# Altium PCB BowieGlove.PcbDoc (part 1 of 2) (continued)
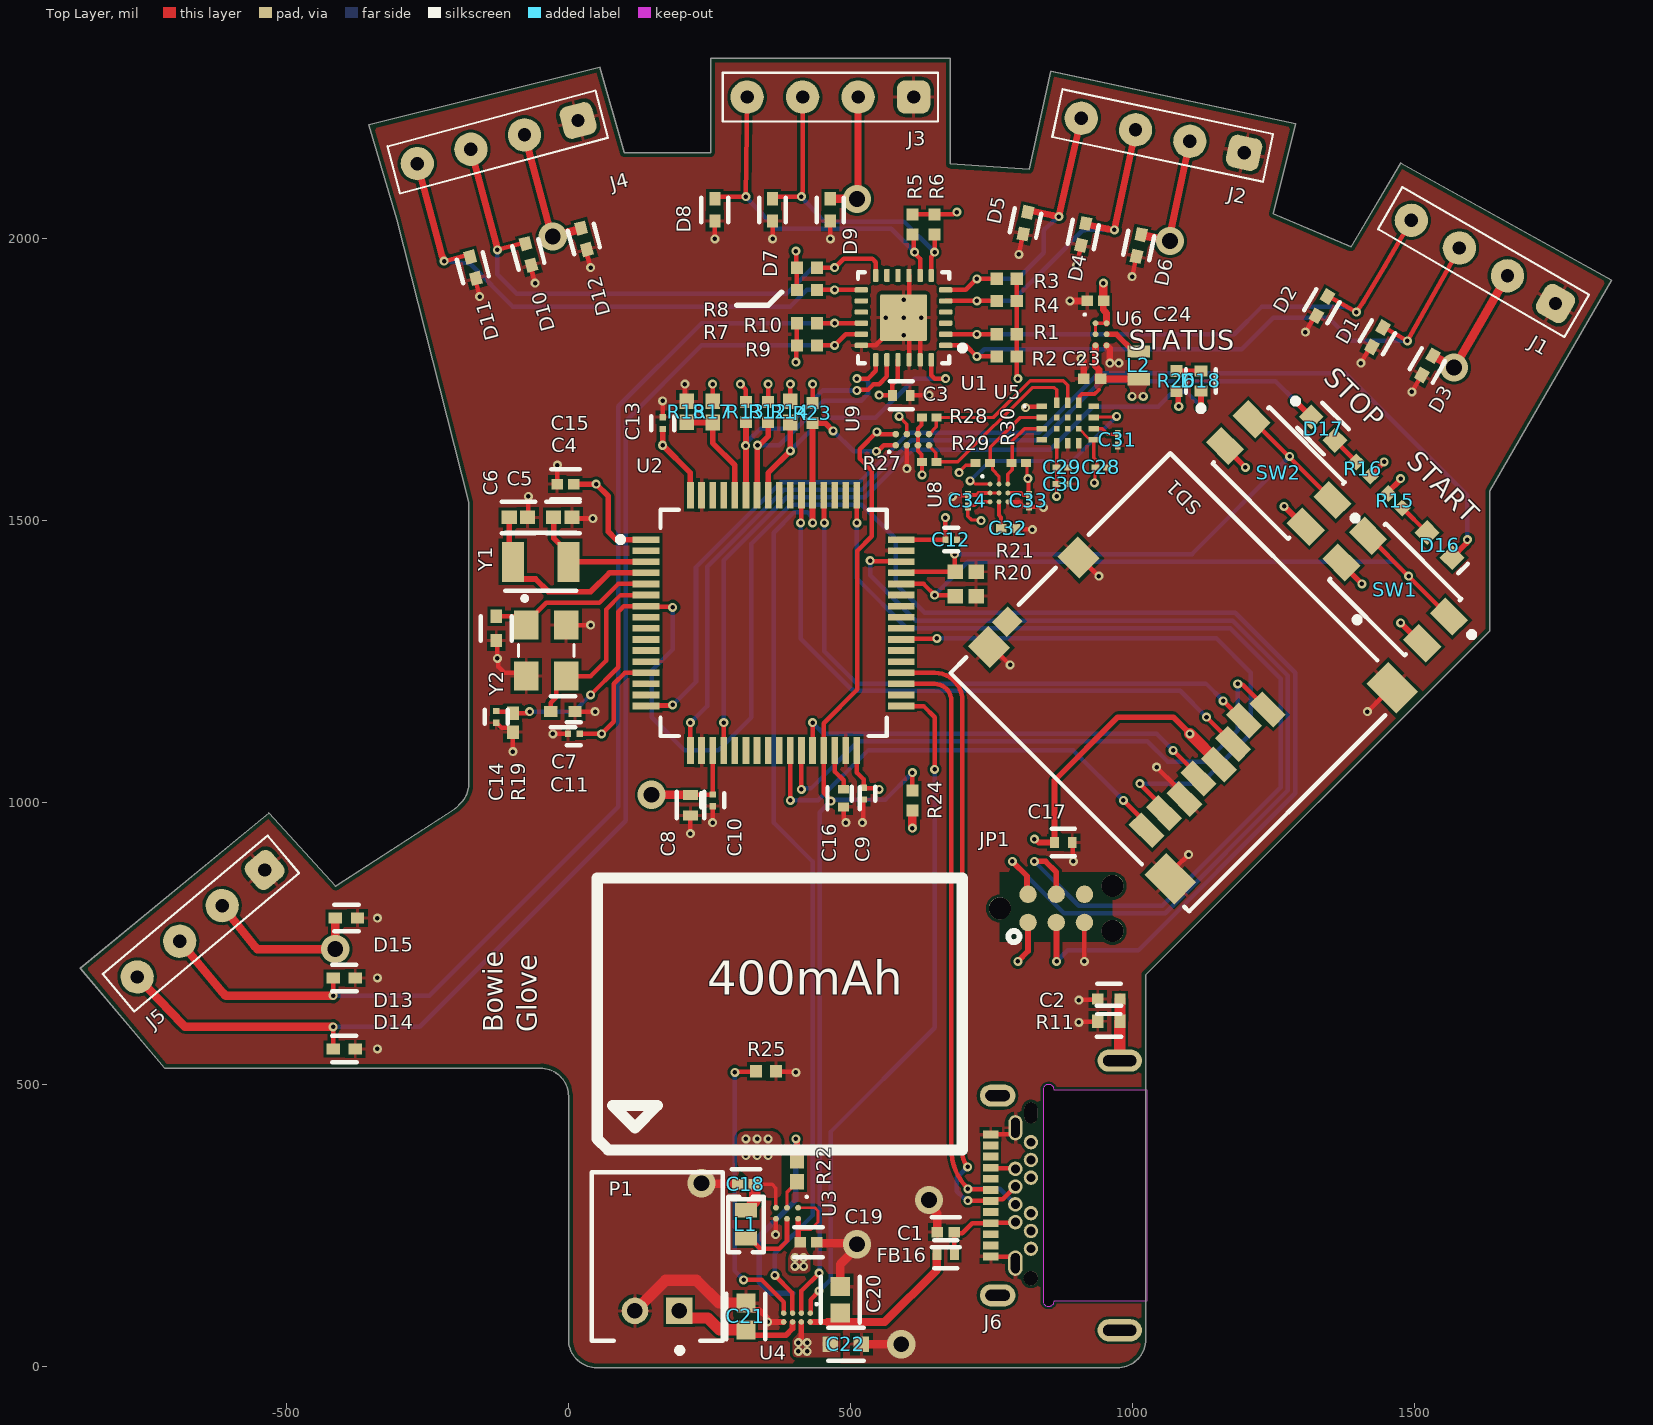
[diagram p0: Top Layer view]
## Components (designator, comment, footprint, x,y, rotation, side; value= is the part's Value field where it differs from the comment)
C1 "4.7uF" FP-CL828-IPC_C 669.29,238.19 r180 top
C2 "47 nF" FP-CC0402-MFG 958.66,651.57 r180 top
C3 "0.1uF" FP-GRM15-MFG 590.55,1722.44 r0 top value=0.10μF
C4 "12pF" FP-0402-L_1_0_1-W_0_5_0_1-IPC_B -9.84,1505.91 r0 top
C5 "12pF" FP-0402-L_1_0_1-W_0_5_0_1-IPC_B -88.58,1505.91 r0 top
C6 "22pF" FP-0402-L_1_0_1-W_0_5_0_1-MFG -127.95,1309.06 r270 top
C7 "22pF" FP-0402-L_1_0_1-W_0_5_0_1-MFG -9.84,1161.42 r0 top
C8 "10uF" FP-CL05A106MP5NUNC-MFG 216.54,995.57 r270 top
C9 "0.1uF" FP-CC0201-BA-MFG 523.62,1015.75 r90 top value="100 nF"
C10 "0.1uF" FP-CC0201-BA-MFG 255.91,1003.94 r90 top value="100 nF"
C11 "0.1uF" FP-CC0201-BA-MFG 9.84,1122.05 r0 top value="100 nF"
C12 "0.1uF" FP-CC0201-BA-MFG 679.13,1466.54 r180 top value="100 nF"
C13 "0.1uF" FP-CC0201-BA-MFG 167.32,1673.23 r270 top value="100 nF"
C14 "0.1uF" FP-CC0201-BA-MFG -127.95,1152.17 r90 top value="100 nF"
C15 "1uF" FP-CL511-IPC_C -5.06,1564.96 r180 top
C16 "4.7uF" FP-C1005-050-0_15-MFG 488.19,1007.87 r270 top
C17 "0.1uF" FP-GRM15-MFG 877.95,929.13 r0 top value=0.10μF
C18 "4.7uF" FP-CL828-IPC_C 314.96,322.83 r180 top
C19 "4.7uF" FP-CL828-IPC_C 426.04,220.47 r0 top
C20 "1uF" FP-0603-L_1_6_0_15-W_0_8-IPC_C 482.28,118.11 r90 top
C21 "1uF" FP-0603-L_1_6_0_15-W_0_8-IPC_C 314.96,88.58 r90 top
C22 "10uF" FP-C1608-080-0_1-MFG 492.13,39.37 r180 top
C23 "4.7uF" FP-CL828-IPC_C 929.13,1751.97 r180 top
C24 "4.7uF" FP-CL828-IPC_C 935.04,1889.76 r180 top
C28 "0.1uF" FP-GRM033-0_03-IPC_C 945.05,1594.49 r0 top
C29 "0.1uF" FP-GRM033-0_03-IPC_C 875.98,1594.49 r0 top
C30 "1uF" FP-GRM033-0_05-e01_0_2-IPC_C 875.98,1564.96 r0 top
C31 "220pF" FP-GRM033-0_03-IPC_C 974.41,1643.7 r270 top
C32 "2.2uF" FP-GRM033-0_09-IPC_B 780.05,1486.22 r0 top
C33 "0.1uF" FP-GRM033-0_03-IPC_C 816.93,1535.43 r270 top
C34 "0.1uF" FP-GRM033-0_03-IPC_C 708.66,1535.43 r90 top
D1 "TI_ESD351DPYR" FP-DPY0002A-MFG 1435.04,1825.47 r60 top
D2 "TI_ESD351DPYR" FP-DPY0002A-MFG 1336.61,1880.59 r60 top
D3 "TI_ESD351DPYR" FP-DPY0002A-MFG 1523.62,1775.59 r60 top
D4 "TI_ESD351DPYR" FP-DPY0002A-MFG 913.39,2007.87 r78 top
D5 "TI_ESD351DPYR" FP-DPY0002A-MFG 810.87,2027.99 r78 top
D6 "TI_ESD351DPYR" FP-DPY0002A-MFG 1011.81,1988.19 r78 top
D7 "TI_ESD351DPYR" FP-DPY0002A-MFG 362.2,2051.18 r90 top
D8 "TI_ESD351DPYR" FP-DPY0002A-MFG 259.84,2051.18 r90 top
D9 "TI_ESD351DPYR" FP-DPY0002A-MFG 464.57,2051.18 r90 top
D10 "TI_ESD351DPYR" FP-DPY0002A-MFG -70.87,1972.44 r105 top
D11 "TI_ESD351DPYR" FP-DPY0002A-MFG -169.29,1948.82 r105 top
D12 "TI_ESD351DPYR" FP-DPY0002A-MFG 27.56,2000 r105 top
D13 "TI_ESD351DPYR" FP-DPY0002A-MFG -397.64,688.98 r180 top
D14 "TI_ESD351DPYR" FP-DPY0002A-MFG -397.64,562.99 r180 top
D15 "TI_ESD351DPYR" FP-DPY0002A-MFG -393.7,795.28 r180 top
D16 "YELLOW" 0603_A 1545.28,1456.69 r135 top
D17 "BLUE" FP-LTST-C191TBKT-MFG 1338.58,1663.39 r315 top
D18 "RED" FP-SML-P11UTT86-MFG 1122.05,1748.03 r90 top
FB16 "600 Ohms @ 100MHz" FP-BLM15-0_05-MFG 669.29,198.82 r180 top
J1 "1x4 FlexFeather, 2.5mm pitch" FlexFeather_2.5mm_5mm_4pos 1623.05,1959.09 r150 top
J2 "1x4 FlexFeather, 2.5mm pitch" FlexFeather_2.5mm_5mm_4pos 1054.21,2183.19 r168 top
J3 "1x4 FlexFeather, 2.5mm pitch" FlexFeather_2.5mm_5mm_4pos 464.72,2251.42 r180 top
J4 "1x4 FlexFeather, 2.5mm pitch" FlexFeather_2.5mm_5mm_4pos -125.38,2171.63 r195 top
J5 "1x4 FlexFeather, 2.5mm pitch" FlexFeather_2.5mm_5mm_4pos -651.8,785.63 r220 top
J6 "632723130112" 632723130112 929.13,303.15 r90 top
JP1 "TC2030-6-NL-FOOTPRINT" TAG_TC2030_NL_6 765.35,812.4 r0 top
L1 "1uH" "IND 0603_1608 RF WW" 314.96,251.97 r90 top
L2 "1uH" FP-DFE18SAN_E0-MFG 1011.81,1775.59 r270 top
P1 "S2B-PH-K-S" JST-S2B-PH-K-S_V 157.48,194.88 r180 top
R1 "10K" RESC1005X40X25NL05T05 777.56,1830.71 r0 top
R2 "10K" RESC1005X40X25NL05T05 777.56,1791.34 r0 top
R3 "10K" RESC1005X40X25NL05T05 777.56,1929.13 r0 top
R4 "10K" RESC1005X40X25NL05T05 777.56,1889.76 r0 top
R5 "10K" RESC1005X40X25NL05T05 610.24,2025.59 r90 top
R6 "10K" RESC1005X40X25NL05T05 649.61,2025.59 r90 top
R7 "10K" RESC1005X40X25NL05T05 423.23,1909.45 r180 top
R8 "10K" RESC1005X40X25NL05T05 423.23,1948.82 r180 top
R9 "10K" RESC1005X40X25NL05T05 423.23,1811.02 r180 top
R10 "10K" RESC1005X40X25NL05T05 423.23,1850.39 r180 top
R11 "1MOhm" FP-RMCF0402-MFG 958.66,612.2 r180 top
R12 "10K" RESC1005X40X25NL05T05 354.33,1692.91 r90 top
R13 "10K" RESC1005X40X25NL05T05 314.96,1692.91 r90 top
R14 "10K" RESC1005X40X25ML05T10 393.7,1692.91 r90 top
R15 "1K" RESC1005X40X25NL05T05 1466.54,1535.43 r315 top
R16 "1K" RESC1005X40X25NL05T05 1410.17,1591.8 r135 top
R17 "DNP" RESC1005X40X25ML05T10 255.91,1692.91 r90 top
R18 "10K" RESC1005X40X25ML05T10 210.31,1693 r270 top
R19 "DNP" RESC1005X40X25NL05T10 -98.43,1141.73 r90 top
R20 "10K" RESC1005X40X25ML05T10 704.72,1366.14 r180 top
R21 "10K" RESC1005X40X25ML05T10 704.72,1409.45 r180 top
R22 "0Ohms" RESC1005X40X25ML05T10 405.51,346.46 r270 top
R23 "1K" RESC1005X40X25NL05T05 433.07,1690.94 r90 top
R24 "1K" RESC1005X40X25NL05T05 610.24,1003.94 r270 top
R25 "10K NTC" RESC1005X40X25NL05T05 350.39,523.62 r180 top
R26 "1K" RESC1005X40X25NL05T05 1078.74,1748.03 r90 top
R27 "4.7K" RESC0603X26X15NL03T05 639.76,1604.33 r180 top
R28 "4.7K" RESC0603X26X15NL03T05 639.76,1683.07 r180 top
R29 "4.7K" RESC0603X26X15NL03T05 735.24,1602.36 r180 top
R30 "4.7K" RESC0603X26X15NL03T05 799.21,1602.36 r0 top
SD1 "473521001" MOLX-473521001_V 1084.26,1213.24 r45 top locked
SW1 "EVQP2002W" FP-EVQP2002W-MFG 1466.54,1377.95 r225 top
SW2 "EVQP2002W" FP-EVQP2002W-MFG 1259.84,1584.65 r225 top
U1 "TCA9548ARGER" FP-RGE0024C-MFG 594.49,1860.24 r180 top
U2 "STM32F446RET6" FP-LQFP64-5W-MFG 364.17,1318.9 r0 top locked
U3 "LM3691TL-3.3/NOPB" YZR0006APAF 387.8,271.65 r270 top
U4 "BQ21080" BQ21080_bga 405.51,86.61 r270 top
U5 "BHI360" BHI360 885.83,1673.23 r0 top
U6 "LM3691TL-1.8/NOPB" YZR0006APAF 944.88,1830.71 r0 top
U8 "BMM350" BMM350 763.78,1549.21 r0 top
U9 "TCA9406YZPR" YZP0008ADAD 610.24,1643.7 r90 top
Y1 "ABS07-120-32.768KHZ-T" FP-ABS07-120-MFG -49.21,1427.17 r180 top
Y2 "ECS-80-18-33-JGN-TR" XTAL_ECS-240-8-33-AGN-TR -39.37,1269.69 r270 top

## Footprints (in the part's own frame and the unit in brackets; to place one, negate y for a bottom-side part, rotate by r counter-clockwise, add the part's x,y. Pads: shape width x height; smd on the part's side, far side on the other; paste and mask are expansions set on the pad)
0603_A [mm] "Chip LED, 2-Leads, Body 1.6x0.8mm, IPC Medium Density"
  rect 0.8x0.8 smd: 1(-0.8,0) 2(0.8,0)
  silkscreen extent -1.5,-0.3 -1.5,0.3, body extent -0.8,-0.4 0.8,0.4, height 0.7
632723130112 [mm] "USB_Type C 3.1_Mid-Mount_THR/SMT_1,6mm"
  rect 0.35x0.7 smd: A1(-2.75,4.57) A2(-2.25,4.57) A3(-1.75,4.57) A4(-1.25,4.57) A5(-0.75,4.57) A6(-0.25,4.57) A7(0.25,4.57) A8(0.75,4.57) A9(1.25,4.57) A10(1.75,4.57) A11(2.25,4.57) A12(2.75,4.57)
  oval 1.143x0.635 hole 0.381 slot 0.9 at 0 deg: B1(3.05,3.46)
  round 0.65 hole 0.4: B2(2.4,2.76) B3(1.6,2.76) B4(1.2,3.46) B5(0.8,2.76) B6(0.4,3.46) B7(-0.4,3.46) B8(-0.8,2.76) B9(-1.2,3.46) B10(-1.6,2.76) B11(-2.4,2.76)
  oval 1.15x0.65 hole 0.4 slot 0.9 at 0 deg: B12(-3.05,3.46)
  round 0.65 hole 0.65 unplated: MH1(-3.725,2.76)
  oval 0.94x0.584 hole 0.584 slot 0.94 at 0 deg unplated: MH2(3.725,2.76)
  oval 1x2 hole 0.5 slot 1.5 at 90 deg: Shell(-6.075,-1.24) Shell(6.075,-1.24)
  oval 1x1.6 hole 0.5 slot 1.1 at 90 deg: Shell(-4.5,4.26) Shell(4.5,4.26)
  Keep-Out Layer board cut-out: -4.75,-2.49 4.75,-2.49 4.75,1.71 4.858,1.735 4.945,1.804 4.994,1.904 4.994,2.016 4.945,2.116 4.858,2.185 4.75,2.21 4.75,2.21 -4.75,2.21 -4.858,2.185 -4.945,2.116 -4.994,2.016 -4.994,1.904 -4.945,1.804 -4.858,1.735 -4.75,1.71 -4.75,1.71
  body extent -6.18,-5 6.18,4.99, height 2.04
BHI360 [mm]
  rect 0.475x0.25 smd mask+0.076: 1(-1.163,0.75) 2(-1.163,0.25) 3(-1.163,-0.25) 4(-1.163,-0.75) 8(1.163,-0.75) 9(1.163,-0.25) 10(1.163,0.25) 11(1.163,0.75)
  rect 0.25x0.475 smd mask+0.076: 5(-0.5,-0.913) 6(0,-0.913) 7(0.5,-0.913) 12(0.5,0.912) 13(0,0.912) 14(-0.5,0.912)
  rect 0.25x0.25 smd mask+0.076: 15(-0.5,-0.25) 16(0,-0.25) 17(0.5,-0.25) 18(0.5,0.25) 19(0,0.25) 20(-0.5,0.25)
  silkscreen extent -2,0.7 -1.9,0.8
BMM350 [mm] "BGA, 9-Leads, Body 1.28x1.28mmx0.50mm, Pitch 0.40mm"
  round 0.22 smd: A1(-0.4,0.4) A2(0,0.4) A3(0.4,0.4) B1(-0.4,0) B2(0,0) B3(0.4,0) C1(-0.4,-0.4) C2(0,-0.4) C3(0.4,-0.4)
  silkscreen extent -0.79,0.7 -0.69,0.79, body extent -0.64,-0.64 0.64,0.64, height 0.5
BQ21080_bga [mm] "BGA, 6-Leads, Body 1.00x1.55mmx0.50mm, Pitch 0.40mm"
  round 0.25 smd mask+0.06: A1(-0.2,0.6) A2(0.2,0.6) B1(-0.2,0.2) B2(0.2,0.2) C1(-0.2,-0.2) C2(0.2,-0.2) D1(-0.2,-0.6) D2(0.2,-0.6)
  silkscreen extent -0.65,0.83 -0.56,0.93, body extent -0.5,-0.77 0.5,0.77, height 0.5
FlexFeather_2.5mm_5mm_4pos [mm]
  rrect50% 1.5x1.5 hole 0.6: 1(-3.75,0)
  round 1.5 hole 0.6: 2(-1.25,0) 3(1.25,0) 4(3.75,0)
  silkscreen extent -4.85,-1.1 4.85,1.1
FP-0402-L_1_0_1-W_0_5_0_1-IPC_B [mil]
  rect 26.81x24.1 smd paste+0 mask+0: 1(-16.36,0) 2(16.36,0)
  silkscreen extent -30,-28 30,28, body extent -36,-18 36,18, height 10
FP-0402-L_1_0_1-W_0_5_0_1-MFG [mm]
  rect 0.6x0.5 smd paste+0 mask+0: 1(-0.55,0) 2(0.55,0)
  silkscreen extent -0.55,-0.7 0.55,0.7, body extent -0.95,-0.4 0.95,0.4, height 0.25
FP-0603-L_1_6_0_15-W_0_8-IPC_C [mil]
  rect 33.77x33.94 smd paste+0 mask+0: 1(-23.71,0) 2(23.71,0)
  silkscreen extent -41,-34 41,34, body extent -45,-23 45,23, height 10
FP-ABS07-120-MFG [mm]
  rect 1x1.8 smd paste+0 mask+0: 1(-1.25,0) 2(1.25,0)
  silkscreen extent -1.6,-1.3 1.6,1.3, body extent -1.85,-1 1.85,1, height 0.25
FP-BLM15-0_05-MFG [mm]
  rect 0.4x0.5 smd paste+0 mask+0: 1(-0.4,0) 2(0.4,0)
  silkscreen extent -0.53,-0.63 0.52,0.63, body extent -0.7,-0.38 0.7,0.38, height 0.25
FP-C1005-050-0_15-MFG [mm]
  rect 0.4x0.5 smd paste+0 mask+0: 1(-0.4,0) 2(0.4,0)
  silkscreen extent -0.5,-0.72 0.5,0.72, body extent -0.7,-0.43 0.7,0.43, height 0.25
FP-C1608-080-0_1-MFG [mm]
  rect 0.7x0.7 smd paste+0 mask+0: 1(-0.7,0) 2(0.7,0)
  silkscreen extent -0.8,-0.75 0.8,0.75, body extent -1.15,-0.55 1.15,0.55, height 0.25
FP-CC0201-BA-MFG [mm]
  rect 0.28x0.3 smd paste+0 mask+0: 1(-0.265,0) 2(0.265,0)
  silkscreen extent -0.32,-0.53 0.32,0.53, body extent -0.51,-0.27 0.51,0.27, height 0.25
FP-CC0402-MFG [mm]
  rect 0.5x0.5 smd paste+0 mask+0: 1(-0.5,0) 2(0.5,0)
  silkscreen extent -0.53,-0.68 0.53,0.67, body extent -0.87,-0.48 0.87,0.48, height 0.25
FP-CL05A106MP5NUNC-MFG [mm]
  rect 0.45x0.675 smd paste+0 mask+0: 1(-0.463,0) 2(0.463,0)
  silkscreen extent -0.6,-0.63 0.6,0.63, body extent -0.79,-0.45 0.79,0.45, height 0.25
FP-CL511-IPC_C [mil]
  rect 20.29x18.6 smd paste+0 mask+0: 1(-14.9,0) 2(14.9,0)
  silkscreen extent -25,-27 25,27, body extent -29,-15 29,15, height 10
FP-CL828-IPC_C [mil]
  rect 20.29x18.6 smd paste+0 mask+0: 1(-14.9,0) 2(14.9,0)
  silkscreen extent -25,-27 25,27, body extent -29,-15 29,15, height 10
FP-DFE18SAN_E0-MFG [mm]
  rect 0.55x1 smd paste+0 mask+0: 1(-0.625,0) 2(0.625,0)
  body extent -1,-0.6 1,0.6, height 0.25
FP-DPY0002A-MFG [mm]
  rect 0.6x0.5 smd paste+0 mask+0: 1(-0.5,0) 2(0.5,0)
  silkscreen extent -0.56,-0.6 0.55,0.6, body extent -0.9,-0.45 0.9,0.45, height 0.25
FP-EVQP2002W-MFG [mm]
  rect 1x1.45 smd paste+0 mask+0: 1(-0.85,2.575) 2(0.85,2.575) 3(-0.85,-2.575) 4(0.85,-2.575)
  silkscreen extent -1.8,-2.4 1.8,4, body extent -1.9,-3.4 1.9,3.4, height 0.25
FP-GRM15-MFG [mm]
  rect 0.4x0.5 smd paste+0 mask+0: 1(-0.4,0) 2(0.4,0)
  silkscreen extent -0.53,-0.63 0.53,0.63, body extent -0.7,-0.38 0.7,0.38, height 0.25
FP-GRM033-0_03-IPC_C [mil]
  rect 13.94x10.34 smd paste+0 mask+0: 1(-10.01,0) 2(10.01,0)
  body extent -21,-10 21,10, height 10
FP-GRM033-0_05-e01_0_2-IPC_C [mil]
  rect 14.22x10.73 smd paste+0 mask+0: 1(-10.06,0) 2(10.06,0)
  body extent -21,-11 21,11, height 10
FP-GRM033-0_09-IPC_B [mil]
  rect 18.77x15.88 smd paste+0 mask+0: 1(-12.34,0) 2(12.34,0)
  body extent -28,-14 28,14, height 10
FP-LQFP64-5W-MFG [mm]
  rect 1.2x0.3 smd paste+0 mask+0: 1(-5.75,3.75) 2(-5.75,3.25) 3(-5.75,2.75) 4(-5.75,2.25) 5(-5.75,1.75) 6(-5.75,1.25) 7(-5.75,0.75) 8(-5.75,0.25) 9(-5.75,-0.25) 10(-5.75,-0.75) 11(-5.75,-1.25) 12(-5.75,-1.75) 13(-5.75,-2.25) 14(-5.75,-2.75) 15(-5.75,-3.25) 16(-5.75,-3.75) 33(5.75,-3.75) 34(5.75,-3.25) 35(5.75,-2.75) 36(5.75,-2.25) 37(5.75,-1.75) 38(5.75,-1.25) 39(5.75,-0.75) 40(5.75,-0.25) 41(5.75,0.25) 42(5.75,0.75) 43(5.75,1.25) 44(5.75,1.75) 45(5.75,2.25) 46(5.75,2.75) 47(5.75,3.25) 48(5.75,3.75)
  rect 0.3x1.2 smd paste+0 mask+0: 17(-3.75,-5.75) 18(-3.25,-5.75) 19(-2.75,-5.75) 20(-2.25,-5.75) 21(-1.75,-5.75) 22(-1.25,-5.75) 23(-0.75,-5.75) 24(-0.25,-5.75) 25(0.25,-5.75) 26(0.75,-5.75) 27(1.25,-5.75) 28(1.75,-5.75) 29(2.25,-5.75) 30(2.75,-5.75) 31(3.25,-5.75) 32(3.75,-5.75) 49(3.75,5.75) 50(3.25,5.75) 51(2.75,5.75) 52(2.25,5.75) 53(1.75,5.75) 54(1.25,5.75) 55(0.75,5.75) 56(0.25,5.75) 57(-0.25,5.75) 58(-0.75,5.75) 59(-1.25,5.75) 60(-1.75,5.75) 61(-2.25,5.75) 62(-2.75,5.75) 63(-3.25,5.75) 64(-3.75,5.75)
  silkscreen extent -7.02,-5.1 5.1,5.1
FP-LTST-C191TBKT-MFG [mm]
  rect 0.8x0.8 smd paste+0 mask+0: 1(-0.75,0) 2(0.75,0)
  silkscreen extent -1.87,-0.8 0.85,0.8, body extent -1.25,-0.55 1.25,0.55, height 0.25
FP-RGE0024C-MFG [mm]
  rrect42% 0.6x0.24 smd paste-1000 mask+0: 1(-1.9,1.25) 2(-1.9,0.75) 3(-1.9,0.25) 4(-1.9,-0.25) 5(-1.9,-0.75) 6(-1.9,-1.25) 13(1.9,-1.25) 14(1.9,-0.75) 15(1.9,-0.25) 16(1.9,0.25) 17(1.9,0.75) 18(1.9,1.25)
  rrect42% 0.24x0.6 smd paste-1000 mask+0: 7(-1.25,-1.9) 8(-0.75,-1.9) 9(-0.25,-1.9) 10(0.25,-1.9) 11(0.75,-1.9) 12(1.25,-1.9) 19(1.25,1.9) 20(0.75,1.9) 21(0.25,1.9) 22(-0.25,1.9) 23(-0.75,1.9) 24(-1.25,1.9)
  rrect5% 2.1x2.1 smd paste-1000 mask+0: 25(0,0)
  silkscreen extent -2.78,-2.05 2.05,2.05, body extent -2.3,-2.3 2.3,2.3, height 0.25
FP-RMCF0402-MFG [mm]
  rect 0.5x0.6 smd paste+0 mask+0: 1(-0.5,0) 2(0.5,0)
  silkscreen extent -0.55,-0.7 0.55,0.7, body extent -0.85,-0.4 0.85,0.4, height 0.25
FP-SML-P11UTT86-MFG [mm]
  rect 0.5x0.6 smd paste+0 mask+0: 1(-0.45,0) 2(0.45,0)
  silkscreen extent -1.37,-0.67 0.53,0.67, body extent -0.8,-0.43 0.8,0.43, height 0.25
"IND 0603_1608 RF WW" [mm] "Chip Inductor, 2-Leads, Body 1.65x0.99mm, IPC Medium Density"
  rect 0.65x1 smd: 1(-0.625,0) 2(0.625,0)
  silkscreen extent -1.25,-0.8 1.25,0.8, body extent -0.8,-0.4 0.8,0.4, height 0.8
JST-S2B-PH-K-S_V [mm] "THD, 2-Leads, Body 7.6x5.9mm, Pitch 2mm"
  rect 1.2x1.2 hole 0.7: 1(-1,2.45)
  round 1.2 hole 0.7: 2(1,2.45)
  silkscreen extent -2.95,-3.8 2.95,4.35, body extent -2.95,-3.8 2.95,3.8, height 4.8
MOLX-473521001_V [mm] "SMD, 8-Leads, Body 15.2x14mm, Pitch 1.1mm"
  rect 0.8x1.5 smd: 1(1.94,-3.66) 2(0.84,-3.26) 3(-0.26,-3.66) 4(-1.36,-3.86) 5(-2.46,-3.66) 6(-3.56,-3.86) 7(-4.66,-3.66) 8(-5.76,-3.66)
  rect 1x0.95 smd: 9(-3.56,7.425)
  rect 1.3x1.4 smd: 10(-4.95,7.2) 11(0.75,7.2)
  rect 1.4x1.9 smd: 12(6.6,-6.95) 13(-6.55,-5.95)
  silkscreen extent -7,-7.6 7.77,7.6, body extent -7.05,-7.6 7.05,7.6, height 1.85
RESC0603X26X15NL03T05 [mm] "Chip Resistor, 2-Leads, Body 0.60x0.30mm, IPC Medium Density"
  rect 0.45x0.35 smd: 1(-0.325,0) 2(0.325,0)
  body extent -0.32,-0.16 0.32,0.17, height 0.26
RESC1005X40X25ML05T10 [mm] "Chip Resistor, 2-Leads, Body 1.00x0.50mm, IPC Low Density"
  rect 0.7x0.65 smd: 1(-0.475,0) 2(0.475,0)
  body extent -0.53,-0.27 0.53,0.28, height 0.4
RESC1005X40X25NL05T05 [mm] "Chip Resistor, 2-Leads, Body 1.05x0.55mm, IPC Medium Density"
  rect 0.55x0.55 smd: 1(-0.45,0) 2(0.45,0)
  body extent -0.53,-0.28 0.53,0.28, height 0.4
RESC1005X40X25NL05T10 [mm] "Chip Resistor, 2-Leads, Body 1.00x0.50mm, IPC Medium Density"
  rect 0.6x0.55 smd: 1(-0.425,0) 2(0.425,0)
  body extent -0.53,-0.27 0.53,0.28, height 0.4
TAG_TC2030_NL_6 [mil] "Connectorless footprint for debug cable"
  round 39 hole 39 unplated: 0(0,0) 0(200,-40) 0(200,40)
  round 31 smd paste-31: 1(50,-25) 2(50,25) 3(100,-25) 4(100,25) 5(150,-25) 6(150,25)
  silkscreen extent 15,-60 35,-40
XTAL_ECS-240-8-33-AGN-TR [mm]
  rect 1.3x1.1 smd: 1(-1.15,-0.9) 2(1.15,-0.9) 3(1.15,0.9) 4(-1.15,0.9)
  silkscreen extent -2.45,-1.25 0.27,1.25, body extent -1.6,-1.25 1.6,1.25, height 0.8
YZP0008ADAD [mm] "BGA, 8-Leads, Body 1.9x0.9mm, Pitch 0.5mm"
  round 0.3 smd: A1(-0.25,0.75) A2(0.25,0.75) B1(-0.25,0.25) B2(0.25,0.25) C1(-0.25,-0.25) C2(0.25,-0.25) D1(-0.25,-0.75) D2(0.25,-0.75)
  silkscreen extent -0.6,1 -0.5,1.1, body extent -0.45,-0.94 0.45,0.95, height 0.5
YZR0006APAF [mm] "Micro SMD, 6-Leads, Body 1.57x1.26mm, Pitch 0.5mm, NSC Recommended"
  round 0.265 smd paste-0.132 mask+0.05: A1(-0.25,0.5) A2(0.25,0.5) B1(-0.25,0) B2(0.25,0) C1(-0.25,-0.5) C2(0.25,-0.5)
  silkscreen extent -0.78,0.84 -0.69,0.94, body extent -0.63,-0.78 0.63,0.79, height 0.68

## Part data
C1 C18 C19 C23 C24: library part CMP-13271-001251-1, "Cap Ceramic 4.7uF 10V X5R ±10% SMD 0402 +85°C Paper T/R", Case Code (Imperial)=0402, Case Code (Metric)=1005, Dielectric=X5R, Max Operating Temperature=85°C, Min Operating Temperature=-55°C, Package Quantity=1, Tolerance=10%, Voltage Rating=10V, Capacitance=4.7uF, Case/Package=0402, Depth=0.5mm, Height=0.5mm, Lead Free="Lead Free", Length=1mm, Material=Ceramic, Mount="Surface Mount", Packaging="Tape and Reel", Radiation Hardening=No, Thickness=0.022inch, Width=0.02inch
C2: library part CMP-03422-000813-1, "CAP CER 0.047UF 25V X7R 0402", Manufacturer=YAGEO, Manufacturer Part Number=CC0402KRX7R8BB473, Package=CC0402, Temperature="-55°C to +125°C", Temperature Characteristic=X7R, Temperature Coefficient=30ppm/°C, Temperature Range High=+125°C, Temperature Range Low=-55°C, Tolerance=0.1, Voltage Rating="25 V", Automotive=No, Automotive Grade=NA, Capacitance="47 nF", Category=Cap, ComponentLink2Description=Datasheet, ComponentLink2URL=http://www.yageo.com/documents/recent/UPY-GP_NP0_16V-to-50V_16.pdf, Device Class L1="Passive Components", Device Class L2=Capacitors, Device Class L3="Ceramic Capacitors", Digikey Description="CAP CER 0.047UF 25V X7R 0402", Footprint Url=http://www.yageo.com/exep/pages/download/literatures/UPY-C_GEN_24.pdf, Height=0.55mm, Ipc Land Pattern Name=CAPC10050X50, Lead Free=Yes, Material=Ceramic, Mouser Description="Multilayer Ceramic Capacitors MLCC - SMD/SMT 47nF 25V X7R 10%", Octopart=https://octopart.com/cc0402krx7r8bb473-yageo-22850998, RoHS=TRUE
C3 C17: library part CMP-2100-03641-2, "CAP CER 0.1UF 16V X7R 0402", Capacitance=0.10μF, Manufacturer=Murata, Manufacturer Part Number=GRM155R71C104KA88D, Package=GRM15, Temperature="-55°C to +125°C", Temperature Characteristic=X7R, Temperature Range High=+125°C, Temperature Range Low=-55°C, Tolerance=10%, Voltage Rating=16Vdc, Category=Cap, ComponentLink2Description=Datasheet, ComponentLink2URL=https://search.murata.co.jp/Ceramy/image/img/A01X/G101/ENG/GRM155R71H471KA01-01A.pdf, Device Class L1="Passive Components", Device Class L2=Capacitors, Device Class L3="Ceramic Capacitors", Digikey Description="CAP CER 0.1UF 16V X7R 0402", Height=0.55mm, Ipc Land Pattern Name=CAPC10050X219, Lead Free=yes, Material=Ceramic, Mouser Description="0402 0.1 uF 16V ±10 % Tolerance X7R SMT Multilayer Ceramic Capacitor", Octopart=https://octopart.com/grm155r71c104ka88d-murata-196880, RoHS=TRUE, Standoff Height=0mm
C4 C5: library part CMP-1034-00771-3, "General Purpose Ceramic Capacitor, 0402, 12pF, 10%, C0G, 30ppm/°C, 50V", Case Code (Imperial)=0402, Case Code (Metric)=1005, Dielectric=C0G, Max Operating Temperature=125°C, Min Operating Temperature=-55°C, Package Quantity=10000, Tolerance=10%, Voltage Rating=50V, Capacitance=12pF, Case/Package=0402, Construction=Flat, Depth=0.5mm, Length=1mm, Mount="Surface Mount", Number of Pins=2, Packaging="Tape and Reel", Radiation Hardening=No, RoHS Compliant=Yes, Series=-, Termination=SMD/SMT, Thickness=0.022inch, Voltage Rating (DC)=50V, Width=0.5mm
C6 C7: library part CMP-2008-02613-2, "General Purpose Ceramic Capacitor, 0402, 22pF, 5%, C0G, 30ppm/°C, 50V", Case Code (Imperial)=0402, Case Code (Metric)=1005, Dielectric=C0G, Max Operating Temperature=125°C, Min Operating Temperature=-55°C, Package Quantity=1, Temperature Coefficient=30ppm/°C, Tolerance=5%, Voltage=50V, Capacitance=22pF, Case/Package=0402, Construction=Flat, Contact Plating=Tin, Depth=0.5mm, Height=0.5mm, Lead Free="Lead Free", Length=1mm, Mount="Surface Mount", Number of Pins=2, Packaging="Tape and Reel", Radiation Hardening=No, REACH SVHC="No SVHC", RoHS Compliant=Yes, Series=-, Termination=SMD/SMT, Thickness=0.022inch, Voltage Rating=50V, Voltage Rating (DC)=50V, Width=0.02inch
C8: library part CMP-13271-000002-1, "CAP CER 10UF 10V X5R 0402", Manufacturer=Samsung, Manufacturer Part Number=CL05A106MP5NUNC, Temperature="-55°C to +85°C", Temperature Characteristic=X5R, Temperature Coefficient=15%, Temperature Range High=+85°C, Temperature Range Low=-55°C, Tolerance=20%, Voltage Rating=10V, Automotive=No, Capacitance=10uF, Category=Cap, ComponentLink2Description=Datasheet, ComponentLink2URL=http://www.samsungsem.com/kr/support/product-search/mlcc/__icsFiles/afieldfile/2019/05/10/19-CL05A106MP5NUNC.pdf, Device Class L1="Passive Components", Device Class L2=Capacitors, Device Class L3="Ceramic Capacitors", Digikey Description="CAP CER 10UF 10V X5R 0402", Height=0.7mm, Ipc Land Pattern Name=CAPC10050X50, Lead Free=Yes, Material=Ceramic, Octopart=https://octopart.com/cl05a106mp5nunc-samsung-22457395, Package=CL05A106MP5NUNC, RoHS=TRUE
C9 C10 C11 C12 C13 C14: library part CMP-03422-000376-1, "CAP CER 0.1UF 6.3V X5R 0201", Capacitance="100 nF", Manufacturer=Yageo, Manufacturer Part Number=CC0201KRX5R5BB104, Package=CC0201-BA, Temperature="-55°C to +85°C", Temperature Characteristic=X5R, Temperature Coefficient=15%, Temperature Range High=+85°C, Temperature Range Low=-55°C, Tolerance=0.1, Voltage Rating="6.3 V", Automotive=No, Category=Cap, ComponentLink2Description=Datasheet, ComponentLink2URL=http://www.yageo.com/documents/recent/UPY-GPHC_X5R_4V-to-50V_25.pdf, Device Class L1="Passive Components", Device Class L2=Capacitors, Device Class L3="Ceramic Capacitors", Digikey Description="CAP CER 0.1UF 6.3V X5R 0201", Footprint Url=http://www.yageo.com/exep/pages/download/literatures/UPY-C_GEN_24.pdf, Height=0.33mm, Ipc Land Pattern Name=CAPC6030X30, Lead Free=Yes, Material=Ceramic, Mouser Description="Multilayer Ceramic Capacitors MLCC - SMD/SMT 100nF 6.3V X5R 10%", Octopart=https://octopart.com/cc0201krx5r5bb104-yageo-9292636, RoHS=TRUE
C15: library part CMP-13271-001936-1, "Cap Ceramic 1uF 10V X5R ±10% SMD 0402 +85°C Paper T/R", Case Code (Imperial)=0402, Case Code (Metric)=1005, Dielectric=X5R, Max Operating Temperature=85°C, Min Operating Temperature=-55°C, Package Quantity=1, Tolerance=10%, Voltage Rating=10V, Capacitance=1uF, Case/Package=0402, Contact Plating=Tin, Depth=0.5mm, Height=0.5mm, Length=1mm, Material=Ceramic, Mount="Surface Mount", Packaging="Tape and Reel", Radiation Hardening=No, Thickness=0.022inch, Width=0.02inch
C16: library part CMP-2000-05997-2, "CAP CER 4.7UF 10V X5R 0402", Case Code (Imperial)=0402, Case Code (Metric)=1005, Dielectric=X5R, Dielectric Material=Ceramic, Max Operating Temperature=85°C, Min Operating Temperature=-55°C, Package Quantity=10000, Tolerance=10%, Voltage Rating=10V, Capacitance=4.7uF, Case/Package=0402, Lead Free="Lead Free", Length=0.039inch, Mount="Surface Mount", Packaging="Cut Tape", REACH SVHC="No SVHC", RoHS Compliant=Yes, Series=C, Thickness=0.022inch, Voltage Rating (DC)=10V, Width=0.02inch
C20 C21: library part CMP-2000-07531-4, "Ceramic Capacitor General Use 1uF ±10% 50V X7R 0603", Case Code (Imperial)=0603, Case Code (Metric)=1608, Dielectric=X7R, Max Operating Temperature=125°C, Min Operating Temperature=-55°C, Package Quantity=1, Tolerance=10%, Voltage Rating=50V, Capacitance=1uF, Case/Package=0603, Construction=Flat, Depth=0.8mm, Halogen Free="Halogen Free", Height=0.8mm, Length=1.6mm, Mount="Surface Mount", Packaging="Tape and Reel", Radiation Hardening=No, RoHS Compliant=Yes, Series=M, Termination=SMD/SMT, Thickness=0.037inch, Voltage Rating (DC)=50V, Width=0.031inch
C22: library part CMP-2000-04979-3, "Multilayer Ceramic Capacitors 10μF ±10% 10V X5R SMD 0603", Case Code (Imperial)=0603, Case Code (Metric)=1608, Dielectric=X5R, Dielectric Material=Ceramic, Max Operating Temperature=85°C, Min Operating Temperature=-55°C, Package Quantity=1, Tolerance=10%, Voltage=10V, Capacitance=10uF, Case/Package=0603, Construction=Flat, Depth=0.8mm, Height=0.8mm, Lead Free="Lead Free", Length=1.6mm, Mount="Surface Mount", Number of Pins=2, Packaging="Tape and Reel", Radiation Hardening=No, REACH SVHC="No SVHC", Resistor Type=Ceramic, RoHS Compliant=Yes, Series=C, Termination=SMD/SMT, Thickness=0.035inch, Voltage Rating=10V, Voltage Rating (DC)=10V, Weight=7.1E-05oz, Width=0.8mm
C28 C29 C33 C34: library part CMP-2010-01264-2, "Chip Multilayer Ceramic Capacitors for General Purpose, 0201, 0.10uF, X5R, 15%, 10%, 10V", Capacitance=100nF, Case Code (Imperial)=0201, Case Code (Metric)=0603, Dielectric=X5R, Max Operating Temperature=85°C, Min Operating Temperature=-55°C, Package Quantity=1, Tolerance=10%, Voltage=10V, Case/Package=0201, Depth=0.3mm, Height=0.3mm, Lead Free="Lead Free", Length=0.6mm, Mount="Surface Mount", Packaging="Tape and Reel", Radiation Hardening=No, REACH SVHC="No SVHC", Termination=SMD/SMT, Thickness=0.013inch, Voltage Rating=10V, Voltage Rating (DC)=10V, Weight=6E-06oz, Width=0.012inch
C30: library part CMP-06035-049957-1, "Chip Multilayer Ceramic Capacitors for General Purpose, 0201, 1.0uF, X5R, 15%, 20%, 4V", Case Code (Imperial)=0201, Case Code (Metric)=0603, Dielectric=X5R, Max Operating Temperature=85°C, Min Operating Temperature=-55°C, Package Quantity=15000, Tolerance=20%, Voltage Rating=4V, Capacitance=1uF, Case/Package=0201, Height=0.3mm, Length=0.024inch, Mount="Surface Mount", Packaging="Tape and Reel", Termination=SMD/SMT, Thickness=0.014inch, Voltage Rating (DC)=4V, Weight=1.2E-05oz, Width=0.012inch
C31: library part CMP-2010-01692-2, "Chip Multilayer Ceramic Capacitors for General Purpose, 0201, 220pF, X7R, 15%, 10%, 16V", Case Code (Imperial)=0201, Case Code (Metric)=0603, Dielectric=X7R, Max Operating Temperature=125°C, Min Operating Temperature=-55°C, Package Quantity=15000, Tolerance=10%, Voltage Rating=16V, Capacitance=220pF, Case/Package=0201, Depth=0.3mm, Height=0.3mm, Lead Free="Lead Free", Length=0.6mm, Mount="Surface Mount", Packaging="Tape and Reel", Radiation Hardening=No, Termination=SMD/SMT, Thickness=0.013inch, Voltage Rating (DC)=16V, Width=0.012inch
C32: library part CMP-06035-032992-1, "Chip Multilayer Ceramic Capacitors for General Purpose, 0201, 2.2uF, X5R, 15%, 10%, 10V", Case Code (Imperial)=0201, Case Code (Metric)=0603, Dielectric=X5R, Max Operating Temperature=85°C, Min Operating Temperature=-55°C, Tolerance=10%, Voltage Rating=10V, Capacitance=2.2uF, Case/Package=0201, Length=0.024inch, Mount="Surface Mount", Packaging="Tape and Reel", Thickness=0.015inch, Voltage Rating (DC)=10V, Width=0.012inch
D1 D2 D3 D4 D5 D6 D7 D8 D9 D10 D11 D12 D13 D14 D15: library part Diode_300mil_Zener, "DIODE, TVS, UNIDIR, 3.6VRWM, 4.5VBR, 6.5VCL, 16A, 1.8PF, X1SON-2", Capacitance @ Frequency="1.8pF @ 1MHz", Case/Package="2-X1SON (1x.60)", Current - Peak Pulse (10/1000µs)=16A, Manufacturer="Texas Instruments", Manufacturer Part Number=ESD351DPYR, Max Operating Temperature=125°C, Min Operating Temperature=-40°C, Power - Peak Pulse=36W, Supplier Part Number 1=296-51109-1-ND, Voltage - Breakdown (Min)=4.5V, Voltage - Clamping (Max) @ Ipp=6.5V, Voltage - Reverse Standoff (Typ)=3.6V, Applications="General Purpose", Category="TVS - Diodes", Diode Type=Unidirectional, Mounting Type="Surface Mount", RoHS=Yes, Series=ESD351, Supplier 1=Digikey, Unidirectional Channels=1
D16: library part CMP-1426-00005-1, "SMD mono-color Chip LED, WL-SMCW, Yellow", Color=Yellow, Manufacturer="Wuerth Elektronik", PartNumber=150060YS75000, ComponentLink1Description="Manufacturer URL", ComponentLink1URL=http://www.we-online.com, ComponentLink2Description=Datasheet, ComponentLink2URL=http://katalog.we-online.com/led/datasheet/150060YS75000.pdf, PackageReference=0603_A
D17: library part CMP-22017-000008-1, "LED BLUE CLEAR CHIP SMD", Case Code (Imperial)=0603, Case Code (Metric)=1608, Color=Blue, Forward Current=20mA, Forward Voltage=3.8V, Lens Color=Colorless, Max Operating Temperature=80°C, Max Power Dissipation=75mW, Min Operating Temperature=-20°C, Package Quantity=1, Power Dissipation=76mW, Reverse Voltage=5V, Case/Package=0603, Depth=1.6mm, Dominant Wavelength=475nm, Height=0.55mm, Illumination Color=Blue, Lead Free="Lead Free", Length=0.8mm, Lens Style=Diffused, Lens Transparency=Clear, Luminous Intensity=180mcd, Mount="Surface Mount", Number of Elements=1, Number of LEDs=1, Number of Pins=2, Packaging="Tape and Reel", Radiation Hardening=No, Test Current=20mA, Viewing Angle=130°, Wavelength=468nm, Width=0.8mm
D18: library part CMP-08952-000028-1, "LED RED CLEAR 1006 SMD", Case Code (Imperial)=0402, Case Code (Metric)=1005, Color=Red, Forward Current=20mA, Forward Voltage=1.8V, Lens Color=Colorless, Max Operating Temperature=85°C, Min Operating Temperature=-40°C, Package Quantity=1, Test Current=1mA, Case/Package=0402, Dominant Wavelength=621nm, Height=0.25mm, Illumination Color=Red, Lead Free="Lead Free", Length=1mm, Lens Style=Square, Lens Transparency=Clear, Luminous Intensity=5.5mcd, Mount="Surface Mount", Number of LEDs=1, Number of Pins=2, Packaging="Tape and Reel", Radiation Hardening=No, REACH SVHC="No SVHC", RoHS Compliant=Yes, Series=PicoLED™, Viewing Angle=150°, Wavelength=621nm, Width=0.6mm
FB16: library part CMP-0686-00252-4, "Chip Ferrite Bead, 0402, 600Ω @ 100MHz, 0.23Ω, 25%, 900mA", Case Code (Imperial)=0402, Case Code (Metric)=1005, Current Rating=900mA, DC Resistance (DCR)=230mR, Max Operating Temperature=125°C, Min Operating Temperature=-55°C, Package Quantity=10000, Test Frequency=100MHz, Tolerance=25%, Case/Package=0402, Height=0.5mm, Impedance=600R, Lead Free="Lead Free", Length=1mm, Material=Steel, Max Current Rating=900mA, Max DC Current=900mA, Number Of Circuits=1, Number of Lines=1, Number of Pins=2, Packaging="Tape and Reel", Termination=SMD/SMT, Width=0.5mm
J1 J2 J3 J4 J5: library part FlexFeather_2.5mm_5mm_4pos, "2.5mm pitch, 5mm long, 4 pos recommended layout to connect flexpcb to e-textile with ultrasonic bonding", Internal Part Number=XXX-XXXXX-XX, Category=Connectors, ComponentLink1Description=Datasheet, Length=5, Pitch=2.5mm, Positions=4, System=connector
J6: library part CMP-207978-000001-2, "WR-COM_USB 3.1_TYPE C_HORIZONTAL", Current Rating=5A, Insulation Resistance=100MΩ, Max Operating Temperature=85°C, Min Operating Temperature=-40°C, Voltage Rating=20V, Contact Material="Gold, Nickel", Gender=Receptacle, Height=3.52mm, NexarPartId=99674471, Number Of Contacts=24, Number of Pins=24, Packaging="Tape and Reel", RoHS=Compliant, Usb Standard="USB 3.1"
JP1: "CONN, FP, 2X3, .05, DEBUG, SMT", Manufacturer="NO PART", Part Number="FOOTPRINT ONLY"
L1: library part MCHK1608T1R0MKN, "SMT Inductor", Manufacturer="Taiyo Yuden", Part Number=MCHK1608T1R0MKN
L2: library part CMP-06042-016331-1, "FIXED IND 1UH 1.6A 144 MOHM SMD", Case Code (Imperial)=0603, Case Code (Metric)=1608, Current Rating=1.6A, DC Resistance (DCR)=144mR, Max Operating Temperature=85°C, Min Operating Temperature=-40°C, Saturation Current=2A, Test Frequency=1MHz, Tolerance=20%, Case/Package=0603, Core Material=Metal, Inductance=1uH, Mount="Surface Mount", Packaging="Cut Tape", RoHS Compliant=Yes, Shielding=Shielded
P1: library part CMP-1755-00004-1, "Male Header, Pitch 2 mm, 1 x 2 Position, Height 4.8 mm, Tail Length 3.4 mm, -25 to 85 degC, RoHS, Bulk", Capacitance="10 uF", Case\Package=Radial, Max Operating Temperature="85 degC", Min Operating Temperature="-40 degC", Package Quantity=200, Tolerance=20%, Voltage Rating="50 V", ComponentLink1Description=Datasheet, ComponentLink1URL=http://www.jst-mfg.com/product/pdf/eng/ePH.pdf, DatasheetVersion=Dec-12, Diameter="5 mm", Height="11 mm", Lead Pitch="2 mm", Length="11 mm", Mount="Through Hole", PackageDescription="Male Header, Pitch 2 mm, 1 x 2 Position, Height 4.8 mm, Tail Length 3.4 mm", PackageReference=S2B-PH-K-S, Packaging=Bulk, Pins=2, Radiation Hardening=No, REACH SVHC="No SVHC", RoHSCompliant=true, Voltage Rating (DC)="50 V"
R1 R2 R3 R4 R5 R6 R7 R8 R9 R10 R12 R13 R15 R16 R23 R24 R26: library part CMP-1011-00510-4, "Chip Resistor, 1 KOhm, +/- 1%, 100 mW, -55 to 155 degC, 0402 (1005 Metric), RoHS, Tape and Reel", Case Code (Imperial)=0402, Case Code (Metric)=1005, Manufacturer="Basic Passives", Max Operating Temperature="155 degC", Min Operating Temperature="-55 degC", Package Quantity=10000, PartNumber=ERJ-2RKF1001X, Power Rating="100 mW", Resistance="1 KOhm", Tolerance=1%, Voltage Rating="50 V", Case\/Package=0402, ComponentLink1Description="Manufacturer URL", ComponentLink1URL=http://www.panasonic.com/, ComponentLink2Description=Datasheet, ComponentLink2URL=http://industrial.panasonic.com/cdbs/www-data/pdf/RDA0000/AOA0000C86.pdf, DatasheetVersion=04/2015, Height="0.35 mm", Length="1 mm", Mount="Surface Mount", Mounting Technology="Surface Mount", PackageDescription="2-Pin Surface Mount Device, Body 1 x 0.5 mm", PackageReference=0402, Packaging="Tape and Reel", Pins=2, Radiation Hardening=No, REACH SVHC=Yes, RoHSCompliant=true, Width="0.5 mm"
R11: library part CMP-2000-06985-2, "1MΩ ±1% 0.063W 0402 Thick Film Chip Resistor AEC-Q200 compliant", Case Code (Imperial)=0402, Case Code (Metric)=1005, Max Operating Temperature=155°C, Max Power Dissipation=63mW, Min Operating Temperature=-55°C, Power Rating=62.5mW, Resistance=1MR, Resistor Type="Thick Film", Temperature Coefficient=100ppm/°C, Tolerance=1%, Case/Package=0402, Construction=Rectangular, Contact Plating=Tin, Depth=0.5mm, Features="Automotive AEC-Q200", Height=0.016inch, Lead Free="Lead Free", Length=1mm, Military Standard=Not, Mount="Surface Mount", Number of Terminations=2, Packaging="Tape and Reel", Radiation Hardening=No, RoHS Compliant=Yes, Series=RMCF, Size Code=0402, Width=0.02inch
R14 R17 R18 R20 R21 R22: library part CMP-2002-03043-1, Manufacturer="Vishay Dale", Part Number=CRCW040210K0FKEDHP
R19: library part CMP-1011-00001-2, Manufacturer="Yageo / Phycomp", Part Number=RC0402JR-070RL
R25: library part CMP-2002-01183-1, Manufacturer=Panasonic, Part Number=ERT-J0ER103J
R27 R28 R29 R30: library part CMP-2004-02966-1, Manufacturer=Panasonic, Part Number=ERJ-1GEF4701C
SD1: library part CMP-2000-05848-1, "MicroSD(TM), Pitch 1.1 mm, 8 Position, Height 1.88 mm, -20 to 85 degC, RoHS, Tape and Reel", Manufacturer=Molex, Package Description="MicroSD(TM), Pitch 1.1 mm, 8 Position, Height 1.88 mm", Datasheet URL=http://www.molex.com/pdm_docs/sd/473521001_sd.pdf, Datasheet Version="Rev. G, 01/2012", Manufacturer URL=http://www.molex.com/, Mounting Technology=SurfaceMount, Package Reference=473521001
SW1 SW2: library part CMP-05618-000142-1, "SWITCH TACTILE SPST-NO 0.02A 15V", Actuator Color=Natural, Contact Current Rating=20mA, Contact Resistance=100mR, Max Operating Temperature=85°C, Max Voltage Rating (DC)=15V, Min Operating Temperature=-40°C, Operating Force=1N, Package Quantity=1, Actuator Length=0.85mm, Contact Plating=Silver, Current Rating=20mA, Depth=5.5mm, Electrical Life=1000000Cycles, Height=2.5mm, Illumination Type=Non-Illuminated, Lead Free="Lead Free", Length=3.5mm, Max Current Rating=20mA, Mechanical Life=1000000Cycles, Mount="Surface Mount", Orientation=Straight, Packaging="Tape and Reel", Radiation Hardening=No, REACH SVHC="No SVHC", RoHS Compliant=Yes, Series=EVQP2, SIZE=3.5mm, Switch Function=Off-Mom, Switch Travel=0.25mm, Termination=J-Bend, Throw Configuration=SPST, Voltage Rating (DC)=15V
U1: library part CMP-04892-000041-1, "IC I2C SW 8CH W/RESET 24VQFN", Case/Package=VQFN, Max Operating Temperature=85°C, Max Supply Current=80uA, Max Supply Voltage=5.5V, Min Operating Temperature=-40°C, Min Supply Voltage=1.65V, On-State Resistance=70R, Package Quantity=3000, Independent Circuits=1, Lead Free="Lead Free", Mount="Surface Mount", Number of Pins=24, Packaging="Tape and Reel", Propagation Delay=1ns, Radiation Hardening=No, REACH SVHC="No SVHC", RoHS Compliant=Yes, Supply Type=Single, Weight=0.001926oz
U2: library part CMP-12105-000007-1, "IC MCU 32BIT 512KB FLASH 64LQFP", Ambient Temperature Range High=+85°C, Ambient Temperature Range Low=-40°C, Frequency=180MHz, Manufacturer=ST, Max Junction Temp=+105°C, Max Supply Voltage=3.6V, Min Supply Voltage=1.7V, Package=LQFP64-5W, Temperature="-40°C to +105°C", Automotive=No, Category=IC, ComponentLink2Description=Datasheet, ComponentLink2URL=https://www.st.com/en/microcontrollers-microprocessors/stm32f446re.html, Core Architecture="ARM Cortex-M4", Data Bus Width=32bits, Device Class L1="Integrated Circuits (ICs)", Device Class L2="Embedded Processors and Controllers", Device Class L3=Microcontrollers, Digikey Description="IC MCU 32BIT 512KB FLASH 64LQFP", Height=1.6mm, Interface=I2C,SPI,UART,USART,CAN,USB,LIN,IrDA,I2S,Other, Ipc Land Pattern Name=QFP50P1200X1200X160-64, Lead Free=Yes, Manufacturer Part Number=STM32F446RET6, Memory Size=512KBytes, Memory Type=FLASH, Mouser Description="ARM Microcontrollers - MCU High-performance and DSP with FP, ARM Cortex-M4 MCU with 512 Kbytes Flash, 180 MHz CPU, Art Accelerator, SDRAM", Number Of A/D Converters=3, Number Of Adc Channels=16, Number Of Cores=1, Number Of I2C Channels=4, Number Of I/Os=50, Number Of Pwm Channels=32, Number Of Spi Channels=4, Number Of Timers/Counters=14, Number Of Uart Channels=6, Number Of Usb Channels=2, Octopart=https://octopart.com/stm32f446ret6-stmicroelectronics-52642920, Ram Size=128KBytes, RoHS=TRUE, Standoff Height=0.05mm, Temperature Range High=+105°C, Temperature Range Low=-40°C
U3: library part CMP-0063-01484-2, "High Accuracy, Miniature 1A, Step-Down DC-DC Converter for Portable Applications, 6-pin Micro SMD, 250 Reel", Manufacturer="Texas Instruments", PackageTopMarking="XV*I T", PowerWise=N, Code_JEDEC=MO-211-DB, ComponentLink1Description="Datasheet URL", ComponentLink1URL=http://www.ti.com/general/docs/lit/getliterature.tsp?genericPartNumber=LM3691&fileType=pdf, CompType=MiscPower, High-Reliability=Y, PackageDescription="Thin Micro SMD, 6 Bump (Large), 0.5mm Pitch", PackageReference=YZR0006APAF, PartNumber=LM3691TL-3.3/NOPB, PinCount=6, RoHS=Y
U5: "IMUs - Inertial Measurement Units Programmable smart sensor combining accelerometer, gyroscope and fusion software", Manufacturer_Name=BOSCH, Mouser Part Number=262-BHI360, Datasheet Link=https://www.bosch-sensortec.com/media/boschsensortec/downloads/datasheets/bst-bhi360-ds000.pdf, Geometry.Height=1mm, Manufacturer_Part_Number=BHI360, Mouser Price/Stock=https://www.mouser.co.uk/ProductDetail/Bosch-Sensortec/BHI360?qs=ulEaXIWI0c93cz3Dqv%252BGgg%3D%3D
U6: library part CMP-0063-00271-3, "High Accuracy, Miniature 1A, Step-Down DC-DC Converter for Portable Applications, 6-pin Micro SMD, Pb-Free", Manufacturer="Texas Instruments", PackageTopMarking="XV*I Z", PowerWise=Y, Code_JEDEC=MO-211-DB, ComponentLink1Description="Datasheet URL", ComponentLink1URL=http://www.ti.com/general/docs/lit/getliterature.tsp?genericPartNumber=LM3691&fileType=pdf, CompType=MiscPower, High-Reliability=Y, PackageDescription="Thin Micro SMD, 6 Bump (Large), 0.5mm Pitch", PackageReference=YZR0006APAF, PartNumber=LM3691TL-1.8/NOPB, PinCount=6, RoHS=Y
U9: library part CMP-0314-00005-2, "TCA9406 Dual Bidirectional 1-MHz I2C-BUS and SMBus Voltage Level-Translator, 1.65 to 3.6 V, -40 to 85 degC, 8-pin DSBGA (YZP), Green (RoHS & no Sb/Br)", 5V Tolerant I/O=Yes, Manufacturer="Texas Instruments", Max Frequency(kHz)=1000, On-Chip Power-on-Reset=No, Rating=Catalog, ComponentLink1Description=Datasheet, ComponentLink1URL=http://www.ti.com/general/docs/lit/getliterature.tsp?genericPartNumber=TCA9406&fileType=pdf, ComponentLink2Description="Package Specification", ComponentLink2URL=http://www.ti.com/litv/pdf/msoi002j, DatasheetVersion=SCPS221, Eco-Plan="Green (RoHS & no Sb/Br)", Enable Pin=Yes, Function="I2C Voltage Level Translator", Mounting Technology="Surface Mount", No. of Outputs=2, Open Drain I/O Type=Yes, PackageDescription="8-Ball Die-Size Ball Grid Array, 1.9 x 0.9 mm Body, 0.5 mm Pitch, Pb-Free", PackageReference=YZP0008ADAD, PackageVersion="revI, Feb-2012", PartNumber=TCA9406YZPR, Push-Pull I/O Type=Yes, SubFamily="I2C Special Function", Vcc range(V)="1.65 to 3.6", VCC(Max)(V)=4.6, VCC(Min)(V)=-0.5
Y1: library part CMP-2000-07587-2, "CRYSTAL 32.7680KHZ 6PF SMD", Case/Package=SMD/SMT, ESR (Equivalent Series Resistance)=55kR, Frequency=32.768kHz, Frequency Tolerance=20ppm, Load Capacitance=6pF, Max Operating Temperature=85°C, Min Operating Temperature=-40°C, Operating Frequency="32.768 kHz", Package Quantity=3000, Series Resistance=60kR, Depth=1.5mm, Height=0.035inch, Lead Free="Lead Free", Length=3.2mm, Mount="Surface Mount", Number of Pins=2, Packaging="Tape and Reel", Radiation Hardening=No, REACH SVHC="No SVHC", RoHS Compliant=Yes, Series=ABS07, Termination=SMD/SMT, Tolerance=20ppm, Width=0.061inch
Y2: "The sub miniature ECX-32 is a compact SMD Crystal. The 3.2 x 2.5 x 0.8 mm ceramic package is ideal for todayâ€™s SMD manufacturing environment.", Package=None, Availability=Unavailable, MF="{'manufacturer': u'ECS Inc.'}", MP=ECS-80-18-33-JGN-TR, Price=None

## Via types
v1: diameter 16, hole 8, Top Layer to Bottom Layer, tented both sides, 175 vias
v2: diameter 50, hole 28, Top Layer to Bottom Layer, tented both sides, 10 vias
v3: diameter 19.68, hole 7.87, Top Layer to Bottom Layer, 5 vias

## Nets (pads, with @x,y where several pads share a name; then routed paths per layer and width w, separated by ;. In a path a pad name is that pad's centre, name@x,y a point inside that pad or via, vN(x,y) a via of type N, cw(c..) or ccw(c..) an arc to the next point about the centre after c; other vN are vias at no path point)
1V8: C23.1 C28.1 C29.1 C30.1 C33.1 C34.1 L2.2 R27.2 R28.2 R29.2 R30.2 U5.5 U5.8 U5.12 U5.17 U6.C1 U8.B3 U8.C1 U9.C1 U9.C2 | length 719.9
  Top Layer w5: U5.17@905.51,1663.39 922.78,1646.12 929.19,1646.12 U5.8@931.61,1643.7
  Top Layer w6: v1(692.91,1585.43) 692.91,1586.61 704.77,1598.47 718.55,1598.47 R29.2@722.44,1602.36 ; v1(732.28,1500) 731.03,1501.25 715.28,1501.25 708.66,1507.87 C34.1@708.66,1525.42 710.8,1527.56 720.47,1527.56 726.38,1533.46 U8.C1@748.03,1533.46 ; R30.2@812.01,1602.36 813.48,1600.89 813.48,1576.28 v1(814.96,1574.8) ; C30.1@865.92,1564.96 866.03,1564.85 866.03,1543.42 v1(866.14,1543.31) ; C30.1@865.95,1564.99 865.95,1594.46 866.06,1594.57 866.06,1637.2 U5.5@866.14,1637.28 ; U5.8@931.61,1643.7 931.61,1611.69 937.01,1606.3 937.01,1596.46 C28.1@935.04,1594.49 934.06,1593.5 934.06,1567.91 v1(933.07,1566.93)
  Top Layer w7: R28.2@626.97,1683.07 626.47,1682.58 626.47,1669.78 620.08,1663.39 U9.C2@620.08,1653.54 U9.C1@620.08,1633.86 620.08,1624.02 626.47,1617.62 626.47,1604.82 627.16,1604.14 627.16,1581.5 v1(627.35,1581.31) ; v1@732.28,1501.8 v1@733.07,1502.58 ; U8.B3@779.53,1549.21 803.15,1549.21 807.09,1545.28 816.76,1545.28 C33.1@816.93,1545.45 815.94,1546.43 815.94,1573.82 v1(814.96,1574.8) ; U5.12@905.51,1709.13 906.93,1710.56 906.93,1720.31 911.03,1724.41 933.07,1724.41 940.94,1732.28
  Top Layer w12: U6.C1@935.04,1811.02 935.04,1774.19 941.39,1767.83 941.39,1753.77 943.19,1751.97 C23.1@944.04,1751.97 ; C23.1@947.3,1753.77 949.1,1751.97 949.94,1751.97 950.44,1751.48 1011.32,1751.48 L2.2@1011.81,1750.98
  other v1: 1000,1720.47 1019.69,1720.47